# KiCad board Retro.kicad_pcb (continued)
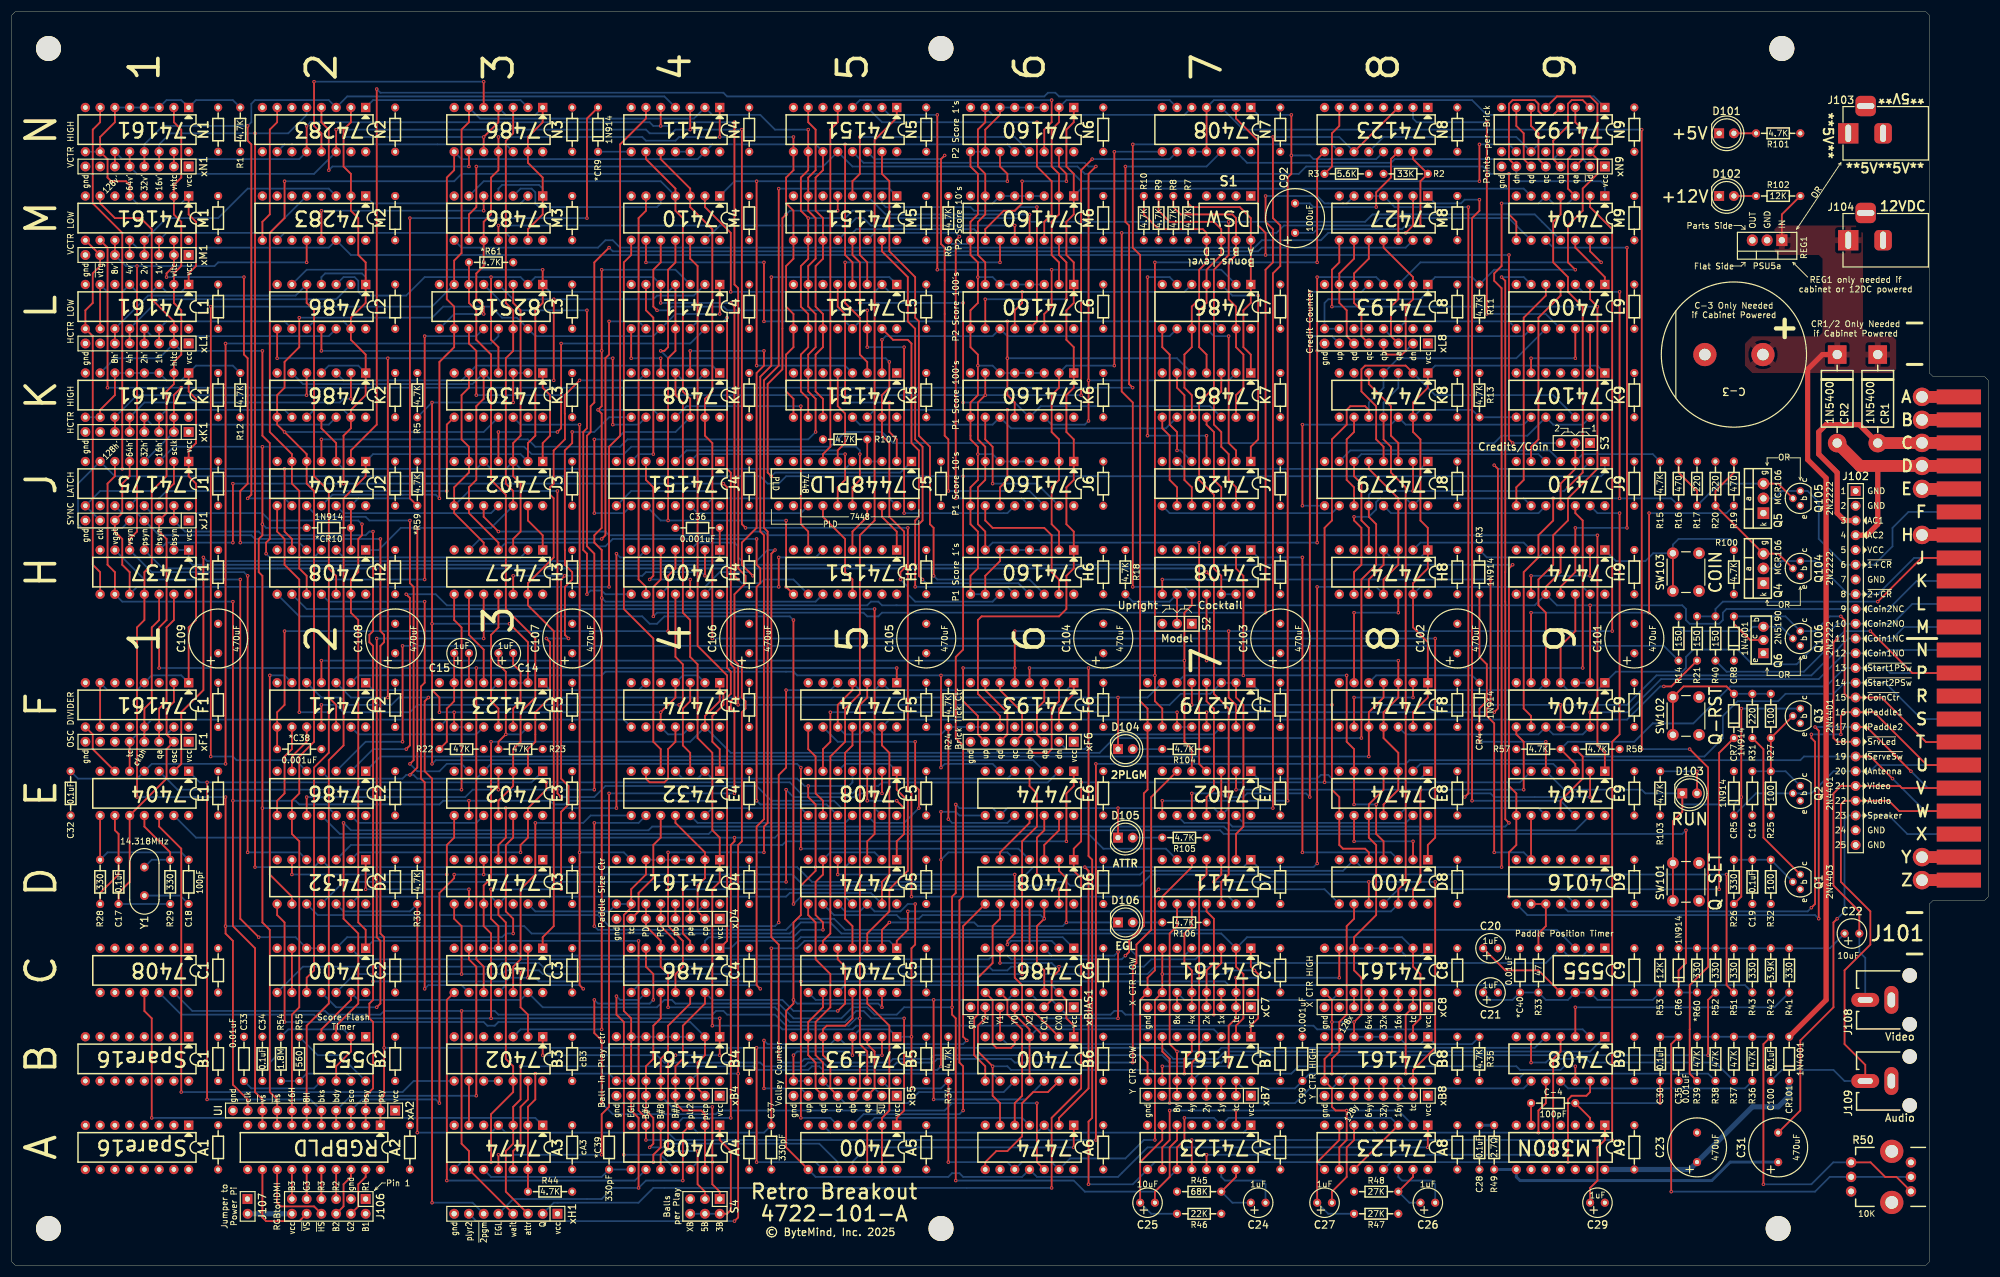
[diagram p0: board, top side]
## Routing (per net, layer and track width the routed paths; a pad name or vN(x,y) marks a point on that pad's centre or on a via; arc(x,y) is an arc through that point) (continued)
vol_ctr_qb: length 14.5
  Top w0.305: v1(146.05,36.19) 146.05,30.48 xB5.4 ; B5.2 v1(149.86,36.19)
  Bottom w0.305: v1(146.05,36.19) v1(149.86,36.19)
vol_ctr_qc: length 55.4
  Top w0.305: xB5.5 140.97,30.48 140.97,34.92 139.7,36.19 B5.6 139.7,40.64 140.34,41.27 143.51,41.27 144.78,42.54 C5.11
  Bottom w0.305: xB5.5 143.51,27.94 154.31,27.94 156.21,29.84 170.81,29.84 B6.10
vol_ctr_qd: length 52.2
  Top w0.305: C5.9 139.7,44.45 137.16,41.91 B5.7 137.16,36.19 138.43,34.92 v1(138.43,33.02) 138.43,30.48 xB5.6
  Bottom w0.305: v1(138.43,33.02) 168.91,33.02 B6.9
vol_ctr_up: length 78.2
  Top w0.305: v1(164.47,38.73) 163.83,39.37 163.83,58.42 D6.8 ; v1(129.54,38.73) v1(129.54,30.48)
  Bottom w0.305: v1(129.54,38.73) 130.18,38.1 140.97,38.1 B5.5 143.51,38.1 163.83,38.1 v1(164.47,38.73) ; v1(129.54,30.48) 135.89,30.48 xB5.7
VSLOW: length 74.1
  Top w0.305: v1(158.75,28.57) v1(158.75,45.72)
  Bottom w0.305: v1(158.75,28.57) 174.62,28.57 B6.12 ; C6.10 171.45,45.72 138.43,45.72 C5.8
VSYNC: length 416.3
  Top w0.305: v1(163.83,135.89) 163.83,106.04 162.56,104.77 162.56,90.8 163.83,89.53 163.83,63.5 163.19,62.86 163.19,34.92 163.83,34.29 v1(163.83,26.67)
  Bottom w0.305: A5.4 146.69,26.03 163.19,26.03 v1(163.83,26.67) ; J9.1 274.32,136.52 273.69,135.89 133.35,135.89 132.08,134.62 130.18,134.62 128.91,135.89 17.78,135.89 J1.7 11.43,134.62 11.43,127.63 12.06,127 19.05,127 xJ1.5
X0: length 47.8
  Top w0.305: C6.13 181.61,45.72 181.61,42.54 182.88,41.27 B6.1
  Bottom w0.305: C5.10 143.51,48.26 179.07,48.26 C6.13
X1: length 17.3
  Top w0.305: B6.3 173.99,43.18 173.99,48.26 172.72,49.53 C6.5
X2: length 62.1
  Top w0.305: B6.2 xBIAS1.4 ; v1(190.5,42.54) v1(190.5,53.97)
  Bottom w0.305: xBIAS1.4 177.16,42.54 v1(190.5,42.54) ; C6.3 179.07,53.34 189.87,53.34 191.13,54.61 192.41,54.61 193.68,53.34 201.93,53.34 C7.5
xh_tc: length 69.2
  Top w0.305: C8.15 xC8.2 240.03,43.18 v1(240.03,33.02) ; B7.7 198.12,36.83 199.39,35.56 v1(199.39,27.94)
  Bottom w0.305: v1(199.39,27.94) 220.98,27.94 223.52,30.48 227.33,30.48 B8.10 229.87,33.02 v1(240.03,33.02)
xl_tc: length 52.6
  Top w0.305: v1(210.82,49.53) C7.15 xC7.2 210.82,42.54 209.55,41.27 v1(209.55,34.29) ; B7.10 v1(198.12,34.29) ; C8.7 v1(228.6,49.53)
  Bottom w0.305: v1(228.6,49.53) v1(210.82,49.53) ; v1(209.55,34.29) v1(198.12,34.29)
Y0: length 47.8
  Top w0.305: xBIAS1.5 172.72,43.18 175.26,40.64 B6.4 B6.11
  Bottom w0.305: B6.4 176.53,40.64 207.01,40.64 B7.3
Y1: length 41.7
  Top w0.305: B6.6 xBIAS1.6
  Bottom w0.305: B6.6 171.45,38.1 204.47,38.1 B7.4
Y2: length 62.8
  Top w0.305: v1(201.93,33.02) 201.93,35.56 203.2,36.83 B7.5 ; xBIAS1.7 167.64,42.54 166.37,41.27 166.37,36.83 v1(168.91,34.29) 168.91,29.21 170.18,27.94 A6.6
  Bottom w0.305: v1(201.93,33.02) 196.85,33.02 196.22,33.66 172.09,33.66 171.45,34.29 v1(168.91,34.29)
yh_tc: length 84.7
  Top w0.305: xB8.2 B8.15 241.3,33.66 245.11,37.46 v1(245.11,66.04) ; v1(233.68,66.04) D8.10 ; v1(207.01,66.04) 208.28,67.31 D7.3
  Bottom w0.305: v1(207.01,66.04) v1(233.68,66.04) v1(245.11,66.04)
yl_tc: length 51.4
  Top w0.305: B7.15 xB7.2 ; v1(227.33,33.02) 227.33,35.56 228.6,36.83 B8.7 228.6,41.91 229.87,43.18 229.87,58.42 231.14,59.69 D8.9
  Bottom w0.305: B7.15 212.09,30.48 220.98,30.48 C99.1 223.52,33.02 v1(227.33,33.02)
~{1+Credit}: length 48.8
  Bottom w0.305: Q5.2 303.53,132.08 304.8,133.35 Q105.3 309.25,133.35 311.15,131.44 311.15,125.09 315.6,120.65 J102.6 320.68,120.65 323.85,123.82 323.85,127 326.59,129.74 J101.6
~{1_CR_START}: length 88.5
  Top w0.305: H7.2 210.82,120.01 212.09,118.74 v1(212.09,101.6) ; v1(234.95,79.38) 234.95,74.29 236.22,73.02 D8.4 ; v1(229.87,101.6) 229.87,90.17 231.14,88.9 E8.6 v1(231.14,79.38)
  Bottom w0.305: v1(234.95,79.38) v1(231.14,79.38) ; F7.6 201.93,101.6 v1(229.87,101.6)
~{1_OR_2_CREDIT}: length 84.2
  Top w0.305: v1(242.57,81.91) 242.57,66.04 241.3,64.77 D8.13 ; v1(260.35,81.91) 260.35,90.17 259.08,91.44 F9.8 ; E7.2 v1(210.82,81.91)
  Bottom w0.305: v1(260.35,81.91) v1(242.57,81.91) v1(210.82,81.91)
~{2+Credits}: length 39.1
  Bottom w0.305: J101.8 327.56,121.82 321.31,115.57 J102.8 316.23,115.57 310.51,121.28 Q104.3 304.8,121.28 303.53,120.01 301.62,120.01
~{2_CR_START}: length 59.5
  Top w0.305: D8.5 233.68,71.12 233.04,71.75 229.24,71.75 228.6,72.39 E8.8 228.6,80.64 227.33,81.91 v1(227.33,96.52) ; F7.5 v1(203.2,96.52)
  Bottom w0.305: v1(203.2,96.52) v1(227.33,96.52)
~{2_CREDIT}: length 183.4
  Top w0.305: v1(227.33,165.1) 227.33,171.45 228.6,172.72 M8.8 ; F9.5 264.16,112.39 262.89,113.66 262.89,118.11 265.43,120.65 265.43,125.73 267.97,128.27 267.97,132.08 273.05,137.16 v1(273.05,165.1) 271.78,166.37 L9.2
  Bottom w0.305: F9.5 262.89,99.06 214.63,99.06 F7.1 ; v1(227.33,165.1) v1(273.05,165.1)
~{2_PLGM}: length 256.8
  Top w0.305: v1(71.75,97.79) 71.12,97.16 71.12,85.09 72.39,83.82 v1(72.39,10.79) ; D104.1 v1(190.5,97.79)
  Bottom w0.305: F2.5 53.34,97.79 56.63,97.79 57.9,96.52 65.41,96.52 66.67,97.79 v1(71.75,97.79) 195.58,97.79 F7.7 ; v1(72.39,10.79) 79.38,10.79 xH1.6
~{8H}: length 279.3
  Top w0.305: J2.2 58.42,140.33 62.87,144.78 v1(62.87,202.56)
  Bottom w0.305: N9.1 272.42,201.29 180.34,201.29 179.71,201.93 178.44,201.93 177.8,201.29 123.19,201.29 122.56,201.93 63.5,201.93 v1(62.87,202.56)
~{16H}: length 294.8
  Top w0.305: v1(46.99,186.69) 46.99,180.34 44.45,177.8 44.45,143.51 48.26,139.7 J2.6 48.26,134.62 49.53,133.35 49.53,120.01 50.8,118.74 H2.10 ; v1(252.73,193.04) v1(252.73,186.69)
  Bottom w0.305: v1(252.73,193.04) 257.81,193.04 N9.10 ; v1(252.73,186.69) 184.15,186.69 182.88,187.96 77.47,187.96 76.2,186.69 v1(46.99,186.69)
~{16V}: length 73
  Top w0.305: v1(68.58,86.36) 69.22,86.99 69.22,116.84 68.58,117.47 v1(68.58,128.27)
  Bottom w0.305: v1(68.58,128.27) 61.59,128.27 60.96,128.9 52.7,128.9 J2.10 ; v1(68.58,86.36) 69.85,85.09 73.66,85.09 74.93,86.36 77.47,86.36 E3.6
~{32H}: length 150
  Top w0.305: N5.7 137.16,196.85 138.43,195.58 138.43,188.59 137.16,187.32 M5.7 137.16,181.61 138.43,180.34 138.43,173.35 137.16,172.08 L5.7 137.16,165.1 138.43,163.83 138.43,158.12 137.16,156.84 K5.7 137.16,150.5 138.43,149.22 v1(138.43,143.51) ; J2.4 v1(53.34,142.24)
  Bottom w0.305: v1(53.34,142.24) 88.9,142.24 90.17,140.97 104.78,140.97 106.05,142.24 137.16,142.24 v1(138.43,143.51)
~{64V}: length 84.1
  Top w0.305: H9.11 266.7,116.84 269.24,119.38 H9.3 v1(269.24,127) ; v1(278.13,127) v1(278.13,175.26)
  Bottom w0.305: v1(278.13,175.26) 265.43,175.26 M9.10 ; v1(269.24,127) v1(278.13,127)
~{ATTRACT}: length 495.5
  Top w0.305: A8.11 A8.3 ; v1(217.17,194.31) 217.17,180.34 218.44,179.07 218.44,172.08 217.17,170.81 v1(217.17,78.74) ; N8.11 N8.3 ; A7.11 200.66,20.32 201.93,21.59 v1(201.93,25.4) ; v1(162.56,79.38) 162.56,64.13 161.93,63.5 v1(161.93,44.45) 161.93,43.18 162.56,42.54 v1(162.56,14.6) ; B2.4 53.34,40.64 58.42,45.72 C2.13 ; E7.12 E7.3 ; D105.1 v1(190.5,78.74)
  Bottom w0.305: v1(161.93,44.45) 153.67,44.45 152.4,43.18 148.59,43.18 147.32,44.45 144.78,44.45 142.88,42.54 134.62,42.54 132.08,45.08 114.3,45.08 113.67,45.72 112.39,45.72 111.12,44.45 91.44,44.45 C3.13 87.63,45.72 59.69,45.72 C2.13 ; v1(162.56,14.6) 182.88,14.6 184.78,12.7 196.85,12.7 A7.11 ; v1(217.17,194.31) 228.6,194.31 N8.11 ; v1(217.17,78.74) 209.55,78.74 E7.12 207.01,78.74 171.45,78.74 E6.9 168.91,78.74 163.19,78.74 v1(162.56,79.38) ; v1(201.93,25.4) 207.01,25.4 A7.3 209.55,25.4 237.49,25.4 A8.3
~{BP_HIT}: length 244.9
  Top w0.305: v1(243.84,20.32) A8.1 ; v1(137.16,82.55) 137.16,80.64 138.43,79.38 v1(138.43,68.58) 138.43,67.94 135.89,65.41 135.89,60.32 134.62,59.05 134.62,45.08 133.35,43.81 133.35,20.32 A5.8 ; C5.13 v1(149.86,44.45)
  Bottom w0.305: E5.4 144.78,83.19 144.15,82.55 v1(137.16,82.55) 136.53,82.55 135.25,83.82 120.65,83.82 E4.2 118.11,83.82 115.57,83.82 E4.4 ; v1(243.84,20.32) 195.58,20.32 190.5,15.24 176.53,15.24 A6.11 173.99,15.24 163.83,15.24 163.19,15.88 161.93,15.88 161.29,15.24 138.43,15.24 A5.8 ; D5.4 143.51,68.58 v1(138.43,68.58) ; v1(134.62,45.72) 135.25,45.08 149.22,45.08 v1(149.86,44.45)
~{bpc_ld}: length 43.4
  Bottom w0.305: N8.12 236.22,194.31 259.08,194.31 N9.11 262.89,193.04 269.88,193.04 270.51,192.4 270.51,190.5 xN9.2
~{BRICK_DISPLAY}: length 133.4
  Top w0.305: C36.1 H4.1 ; v1(33.02,121.92) 33.02,99.06 29.21,95.25 29.21,86.36 E1.2
  Bottom w0.305: H4.1 121.92,121.92 121.28,121.28 33.66,121.28 v1(33.02,121.92)
~{BRICK_HIT}: length 294.4
  Top w0.305: N8.9 224.79,190.5 v1(224.79,172.72) ; F7.10 198.12,95.88 196.85,97.16 v1(196.85,101.6) v1(196.85,172.72) ; v1(160.02,85.72) v1(160.02,101.6)
  Bottom w0.305: v1(160.02,85.72) 160.66,86.36 168.91,86.36 E6.6 ; F2.2 59.69,101.6 101.6,101.6 102.23,102.23 134.62,102.23 135.25,101.6 v1(196.85,101.6) ; v1(196.85,172.72) v1(224.79,172.72)
~{BTB_HIT}: length 107.4
  Top w0.305: E5.1 152.4,81.91 154.31,80.01 154.31,67.94 151.13,64.77 151.13,60.96 147.32,57.15 C5.3
  Bottom w0.305: C5.3 146.05,53.34 87.63,53.34 C3.3 ; E5.1 151.13,86.36 143.51,86.36 E5.5
~{COIN#1}: length 20.1
  Bottom w0.305: CR4.1 251.46,101.6 234.95,101.6 F8.5
~{COIN#2}: length 12.5
  Bottom w0.305: CR3.1 254,121.92 262.89,121.92 H9.5
~{CoinCtr}: length 64.8
  Top w0.305: CR8.2 296.55,110.49 299.35,107.69 Q6.2 ; v1(314.96,111.76) 315.6,111.12 315.6,98.42 316.23,97.79 J102.15 321.94,97.79 329.62,90.12 J101.T
  Bottom w0.305: CR8.2 305.44,111.76 Q106.3 310.51,109.22 313.06,111.76 v1(314.96,111.76)
~{EGL}: length 56.2
  Top w0.305: v1(151.13,59.05) 149.86,57.78 C5.2 ; v1(181.61,59.05) 181.61,66.67 180.34,67.94 D6.2
  Bottom w0.305: v1(151.13,59.05) 165.74,59.05 166.37,58.42 180.97,58.42 v1(181.61,59.05) D106.1
~{FPD1}: length 23.9
  Bottom w0.305: F2.13 59.69,91.44 80.01,91.44 F3.12
~{FPD2}: length 23.9
  Bottom w0.305: F2.1 62.23,99.06 82.55,99.06 F3.4
~{HSYNC}: length 392.7
  Top w0.305: v1(43.18,140.97) v1(43.18,127.63) 43.18,125.73 42.55,125.09 42.55,119.38 43.18,118.74 v1(43.18,78.74) 43.18,59.05 44.45,57.78 44.45,29.84 45.72,28.57 xA2.9 A2.8
  Bottom w0.305: K9.13 270.51,144.78 265.43,144.78 K9.10 260.99,142.88 256.54,142.88 255.27,141.6 151.76,141.6 149.86,143.51 143.51,143.51 140.97,140.97 106.68,140.97 105.41,139.7 89.53,139.7 88.27,140.97 27.94,140.97 J1.3 ; v1(43.18,78.74) 54.61,78.74 E2.12 ; *CR10.1 43.81,127 v1(43.18,127.63)
~{PAD}: length 68.9
  Top w0.305: v1(74.93,133.35) 74.93,144.78 K3.8
  Bottom w0.305: v1(74.93,133.35) 26.67,133.35 25.4,132.08 21.59,132.08 J1.12
~{PLAYER_2}: length 206.7
  Top w0.305: v1(257.81,187.96) 257.81,180.97 259.08,179.7 M9.8 ; v1(80.01,189.23) 80.01,182.25 78.74,180.97 M3.9
  Bottom w0.305: v1(257.81,187.96) 254.63,187.96 253.37,189.23 222.88,189.23 221.62,187.96 184.78,187.96 183.51,189.23 144.78,189.23 N5.12 139.7,189.23 v1(80.01,189.23)
~{Q}: length 144.1
  Top w0.305: v1(264.16,90.17) E9.5 ; v1(252.73,90.17) CR4.2 252.73,95.88 254,97.16 254,103.5 252.73,104.77 CR3.2 ; SW101.1 SW101.1 286.04,76.49 287.65,78.1 D103.1 ; v1(297.81,95.88) v1(297.81,80.64) 297.81,63.5 R26.2
  Bottom w0.305: E9.5 267.33,81.91 280.67,81.91 281.31,81.28 D103.1 287.65,79.38 296.55,79.38 v1(297.81,80.64) ; v1(252.73,90.17) v1(264.16,90.17) ; v1(297.81,95.88) Q3.3
~{SBD}: length 118.6
  Top w0.305: v1(133.35,66.04) v1(133.35,81.91) ; v1(149.86,81.28) E5.2
  Bottom w0.305: D2.11 57.15,66.04 v1(133.35,66.04) ; v1(149.86,81.28) 146.05,81.28 145.41,80.64 134.62,80.64 v1(133.35,81.91)
~{SERVE_WAIT}: length 359.4
  Top w0.305: A4.5 111.76,20.32 110.49,19.05 v1(110.49,17.78) ; v1(284.48,99.69) 285.75,99.69 R21.2 ; F5.13 149.86,89.53 151.13,88.26 151.13,67.31 149.86,66.04 D5.13 ; D3.11 83.82,60.32 85.09,59.05 85.09,35.56 86.36,34.29 B3.12 86.36,29.84 82.55,26.03 v1(82.55,17.78)
  Bottom w0.305: v1(284.48,99.69) 283.85,99.69 278.13,93.98 151.13,93.98 F5.13 ; A3.8 77.47,17.78 v1(110.49,17.78) ; D2.13 59.69,63.5 82.55,63.5 D3.11 85.09,63.5 133.35,63.5 133.99,64.13 147.96,64.13 D5.13
~{ServeSw}: length 390.6
  Top w0.305: v1(323.85,83.82) 320.04,87.63 J102.19 ; v1(186.69,86.36) v1(186.69,21.59) ; R30.2 v1(69.85,22.86)
  Bottom w0.305: J101.19 329.44,78.23 v1(323.85,83.82) ; v1(69.85,22.86) 82.55,22.86 A3.4 85.09,22.86 113.03,22.86 114.3,21.59 v1(186.69,21.59) ; D2.12 57.15,60.96 68.58,60.96 R30.2 ; v1(186.69,86.36) 240.03,86.36 240.66,86.99 307.98,86.99 308.61,87.63 J102.19
~{SET_BRICKS}: length 181
  Top w0.305: D3.8 76.2,59.69 77.47,58.42 v1(77.47,50.16) ; B3.2 88.9,43.18 87.63,44.45 v1(87.63,50.8) ; v1(173.99,50.16) 173.99,73.02 176.53,75.56 176.53,81.28 175.26,82.55 E6.4
  Bottom w0.305: v1(173.99,50.16) 91.44,50.16 90.81,50.8 v1(87.63,50.8) 85.09,50.8 84.45,50.16 v1(77.47,50.16) 59.05,50.16 C2.12
~{SrvLeds}: length 50
  Top w0.305: J101.J 328.83,121.82 v1(321.31,114.3)
  Bottom w0.305: v1(321.31,114.3) 294.64,114.3 293.37,113.03 R40.2 R21.1
~{SrvLed}: length 70.1
  Top w0.305: v1(314.32,107.95) 313.69,107.31 313.69,90.8 314.32,90.17 J102.18 ; J101.P 327.25,102.01 v1(320.04,109.22)
  Bottom w0.305: R40.1 295.27,102.23 308.61,102.23 315.6,109.22 v1(320.04,109.22)
~{Start1PSw}: length 79.6
  Top w0.305: E9.3 269.24,86.36 R57.2
  Bottom w0.305: R57.2 267.97,90.17 279.4,90.17 282.57,93.34 282.59,93.33 289.56,93.33 293.37,97.14 293.37,97.16 295.91,99.69 312.42,99.69 315.6,102.87 J102.13 322.58,102.87 323.44,102.01 J101.13
~{Start2PSw}: length 90.2
  Top w0.305: E9.11 266.7,80.01 270.51,83.82 270.51,87.63 R58.2
  Bottom w0.305: J101.15 328.83,94.08 322.58,100.33 J102.14 315.6,100.33 313.69,98.42 305.44,98.42 304.17,97.16 297.18,97.16 294.64,94.61 294.64,90.8 291.46,87.63 270.51,87.63 R58.2
~{START_GAME_1}: length 481.5
  Top w0.305: v1(232.41,90.8) 232.41,118.11 234.95,120.65 234.95,127.63 233.68,128.9 J8.12 ; v1(114.3,36.19) 113.03,34.92 113.03,20.32 111.76,19.05 A4.10 ; v1(82.55,90.17) 82.55,66.67 81.28,65.41 D3.10 81.28,58.42 82.55,57.15 v1(82.55,42.54) ; v1(121.92,42.54) B4.1 v1(121.92,36.19) ; F4.13 119.38,94.61 121.92,97.16 F4.1 ; v1(267.97,133.98) 270.51,136.52 270.51,165.1 267.97,167.64 267.97,170.18 265.43,172.72 265.43,179.7 266.7,180.97 M9.4 ; v1(241.3,133.35) J8.2
  Bottom w0.305: v1(121.92,42.54) v1(82.55,42.54) 52.7,42.54 52.07,43.18 29.21,43.18 C1.12 ; v1(114.3,36.19) v1(121.92,36.19) ; v1(232.41,90.8) 189.87,90.8 187.32,88.26 123.83,88.26 F4.13 116.84,90.17 v1(82.55,90.17) ; J8.12 233.68,132.71 234.31,133.35 v1(241.3,133.35) 267.33,133.35 v1(267.97,133.98)
~{START_GAME}: length 208
  Top w0.305: F6.11 170.18,94.61 166.37,98.42 166.37,111.12 167,111.76 180.34,111.76 181.61,113.03 181.61,118.74 182.88,120.01 H6.1 182.88,126.36 181.61,127.63 181.61,133.98 182.88,135.25 J6.1 182.88,142.24 181.61,143.51 181.61,149.86 182.88,151.13 K6.1 182.88,158.12 181.61,159.38 181.61,164.46 182.88,165.73 L6.1 182.88,172.72 181.61,173.99 181.61,179.7 182.88,180.97 M6.1 182.88,187.96 181.61,189.23 181.61,195.58 182.88,196.85 N6.1
  Bottom w0.305: M9.6 260.35,185.42 184.15,185.42 M6.1
~{SU}: length 44.8
  Top w0.305: D5.8 137.16,60.32 138.43,59.05 138.43,52.7 140.97,50.16 140.97,44.45 138.43,41.91 138.43,36.19 139.7,34.92 B5.11
  Bottom w0.305: xB5.2 148.59,30.48 140.97,30.48 B5.11
~{VB_HIT}: length 75.8
  Bottom w0.305: A5.6 140.97,22.86 176.53,22.86 A6.3 179.07,22.86 212.09,22.86 A7.1
~{VERT_TRIG}: length 64.1
  Top w0.305: H1.8 15.24,119.38 13.97,120.65 13.97,160.02 L1.9 12.7,164.46 13.97,165.73 13.97,170.81 15.24,172.08 xM1.7 M1.9
~{VSYNC}: length 497.8
  Top w0.305: K4.4 114.3,149.86 115.57,148.59 115.57,112.39 116.84,111.12 116.84,104.77 118.11,103.5 118.11,90.8 120.65,88.26 v1(120.65,80.01) 120.65,74.93 121.92,73.66 D4.1 121.92,66.04 120.65,64.77 v1(120.65,41.27) ; H1.9 17.78,119.38 16.51,120.65 16.51,134.62 17.78,135.89 J1.6 ; A2.9 xA2.10 43.18,28.57 41.91,29.84 41.91,54.61 38.1,58.42 v1(38.1,80.01) v1(38.1,114.3) ; E3.9 v1(78.74,80.01)
  Bottom w0.305: v1(38.1,80.01) 48.9,80.01 49.53,79.38 73.66,79.38 74.3,80.01 92.71,80.01 93.34,79.38 95.25,79.38 95.89,80.01 v1(120.65,80.01) ; K4.4 115.57,152.4 118.11,152.4 K4.2 ; B9.2 270.51,40.64 224.79,40.64 224.16,41.27 145.41,41.27 144.78,40.64 132.72,40.64 132.08,41.27 v1(120.65,41.27) ; H1.9 19.05,114.3 v1(38.1,114.3)
Net-(*C38-Pad1): length 101.4
  Top w0.305: v1(46.99,109.22) 46.99,96.52 45.72,95.25 F2.8 *C38.1 ; v1(113.03,109.22) 113.03,118.74 114.3,120.01 H4.4
  Bottom w0.305: v1(113.03,109.22) v1(46.99,109.22)
Net-(*CR9-K): length 5.7
  Bottom w0.305: *CR9.1 N4.8
Net-(*CR10-A): length 120.5
  Top w0.305: v1(68.58,180.34) 68.58,132.08 *R59.1 ; J2.13 *CR10.2 H2.2 ; *CR9.2 99.06,197.48 v1(99.06,180.34)
  Bottom w0.305: J2.13 59.69,132.08 68.58,132.08 *R59.1 ; v1(68.58,180.34) v1(99.06,180.34)
Net-(A3A-~{Q}): length 7.6
  Top w0.305: A3.6 B3.9
Net-(A3A-~{R}): length 90
  Top w0.305: C1.11 22.86,43.81 24.13,42.54 v1(24.13,25.4)
  Bottom w0.305: v1(24.13,25.4) 90.17,25.4 A3.1
Net-(A3B-C): length 194.8
  Top w0.305: v1(123.19,163.19) 123.19,137.16 123.83,136.52 123.83,103.5 124.46,102.87 124.46,97.79 123.83,97.16 123.83,95.88 124.46,95.25 v1(124.46,81.28) ; v1(83.82,19.05) A3.11 ; v1(101.6,19.05) 101.6,26.03 102.87,27.3 v1(102.87,81.28)
  Bottom w0.305: v1(123.19,163.19) 122.56,162.56 118.11,162.56 L4.12 ; v1(124.46,81.28) v1(102.87,81.28) ; v1(101.6,19.05) v1(83.82,19.05)
Net-(A3B-D): length 16.3
  Top w0.305: A3.12 86.36,19.69 87.63,20.95 87.63,27.3 88.9,28.57 B3.13
Net-(A3B-~{S}): length 26.5
  Bottom w0.305: A3.10 82.55,15.24 101.6,15.24 *C39.1 A4.8
Net-(A4-Pad1): length 22.6
  Top w0.305: S4.2 123.19,8.89 123.83,9.52 123.83,19.69 121.92,21.59 A4.1
  Bottom w0.305: S4.2 S4.4 S4.6
Net-(A4-Pad9): length 68
  Top w0.305: v1(74.93,14.6) 74.93,45.72 C3.8
  Bottom w0.305: A4.9 107.31,14.6 v1(74.93,14.6)
Net-(A4-Pad11): length 43.6
  Top w0.305: v1(104.14,46.35) 104.14,43.18 105.41,41.91 v1(105.41,19.05)
  Bottom w0.305: C4.9 107.95,45.72 104.78,45.72 v1(104.14,46.35) ; A4.11 111.76,19.05 v1(105.41,19.05)
Net-(A6A-Q): length 25
  Top w0.305: C6.9 171.45,45.72 171.45,43.18 173.99,40.64 173.99,29.21 172.72,27.94 A6.5
Net-(A6A-~{R}): length 44.3
  Top w0.305: v1(182.88,20.32) A6.1
  Bottom w0.305: A5.11 144.78,17.85 147.25,20.32 v1(182.88,20.32)
Net-(A6A-~{S}): length 36.6
  Top w0.305: A5.3 A5.12
  Bottom w0.305: A5.3 148.59,25.4 173.99,25.4 A6.4
Net-(A6B-D): length 126.9
  Top w0.305: v1(101.6,27.94) 101.6,38.73 100.33,40 v1(100.33,45.72) ; v1(110.49,45.72) 110.49,50.16 109.22,51.44 C4.6 ; v1(176.53,27.94) 176.53,17.78 A6.12
  Bottom w0.305: v1(100.33,45.72) 100.97,45.08 109.86,45.08 v1(110.49,45.72) ; v1(101.6,27.94) 103.5,26.03 121.28,26.03 121.92,26.67 160.66,26.67 161.93,27.94 v1(176.53,27.94)
Net-(A6B-~{Q}): length 23.1
  Top w0.305: A6.8 167.64,17.78 169.54,19.69 171.45,19.69 173.99,22.22 173.99,27.94 175.9,29.84 178.44,29.84 B6.13
Net-(A7A-Cx): length 12.6
  Bottom w0.305: A7.14 208.28,15.24 208.91,14.6 215.26,14.6 215.9,13.97 C24.2
Net-(A7A-Q): length 83.1
  Top w0.305: v1(265.43,19.05) 265.43,35.56 266.7,36.83 B9.4 ; v1(205.74,19.05) A7.13
  Bottom w0.305: v1(265.43,19.05) v1(205.74,19.05)
Net-(A7A-RCx): length 10.7
  Top w0.305: A7.15 210.82,15.24 R45.2
  Bottom w0.305: C24.1 210.19,10.79 R45.2
Net-(A7B-Cx): length 14.9
  Top w0.305: A7.6 200.66,21.59 199.39,20.32 199.39,15.24 196.85,12.7 C25.2
Net-(A7B-RCx): length 22.1
  Top w0.305: A7.7 198.12,21.59 194.31,17.78 C25.1
  Bottom w0.305: C25.1 196.22,8.89 R46.2
Net-(A8A-Cx): length 11.3
  Bottom w0.305: A8.14 238.76,15.24 239.4,14.6 244.47,14.6 245.11,13.97 C26.2
Net-(A8A-Q): length 49.3
  Top w0.305: v1(267.97,17.78) 267.97,28.57 268.61,29.21 271.14,29.21 271.78,29.84 B9.13
  Bottom w0.305: A8.13 237.49,17.78 v1(267.97,17.78)
Net-(A8A-RCx): length 9.5
  Top w0.305: R48.2 241.3,15.24 A8.15
  Bottom w0.305: R48.2 240.66,10.79 C26.1
Net-(A8B-Cx): length 14.9
  Top w0.305: A8.6 231.14,21.59 229.87,20.32 229.87,15.24 227.33,12.7 C27.2
Net-(A8B-Q): length 39.2
  Top w0.305: v1(262.89,22.86) 262.89,26.67 264.16,27.94 B9.10
  Bottom w0.305: A8.5 234.95,22.86 v1(262.89,22.86)
Net-(A8B-RCx): length 22.1
  Top w0.305: A8.7 228.6,21.59 224.79,17.78 C27.1
  Bottom w0.305: R47.2 226.69,8.89 C27.1
Net-(A9-Pad8): length 51.7
  Bottom w0.508: C31.1 295.91,17.78 292.74,14.6 259.71,14.6 259.08,15.24 A9.8 R49.1
Net-(A9A-+): length 23.3
  Top w0.305: C30.1 v1(283.85,27.94) ; C-4.1 271.78,25.4 A9.2
  Bottom w0.305: C-4.1 v1(283.85,27.94)
Net-(A9A--): length 3.8
  Top w0.305: C-4.2 A9.6
Net-(A9A-BYPASS): length 14.4
  Top w0.305: A9.1 274.32,21.59 273.05,20.32 273.05,14.6 271.78,13.33 C29.1
Net-(B2A-CV): length 14.4
  Bottom w0.305: C33.1 41.27,30.48 52.07,30.48 B2.5
Net-(B2A-DIS): length 13.5
  Bottom w0.305: R54.1 R55.2 50.8,33.02 57.78,33.02 58.42,32.38 B2.7
Net-(B2A-THR): length 30.7
  Top w0.305: B2.2 58.42,36.83 55.88,34.29 B2.6
  Bottom w0.305: B2.2 57.15,40.64 47.62,40.64 R54.2 46.35,36.83 43.18,33.66 C34.1
Net-(B3-Pad1): length 160.2
  Top w0.305: B3.1 v1(91.44,36.19) ; v1(193.04,34.92) 193.04,51.44 193.68,52.07 193.68,55.24 196.22,57.78 196.22,80.64 E7.6
  Bottom w0.305: v1(91.44,36.19) 111.12,36.19 112.39,34.92 128.91,34.92 129.54,34.29 136.53,34.29 137.16,34.92 139.7,34.92 140.34,34.29 151.76,34.29 152.4,34.92 158.75,34.92 159.38,35.56 172.09,35.56 172.72,34.92 v1(193.04,34.92)
Net-(B3-Pad8): length 97
  Top w0.305: v1(29.21,29.84) 29.21,71.75 25.4,75.56 E1.12
  Bottom w0.305: v1(29.21,29.84) 67.31,29.84 69.22,31.75 B3.8
Net-(B3-Pad10): length 2.5
  Bottom w0.305: B3.10 B3.11
Net-(B6-Pad5): length 15
  Top w0.305: C6.8 168.91,45.72 168.91,38.1 169.54,37.46 172.09,37.46 172.72,38.1 B6.5
Net-(B6-Pad8): length 33.1
  Top w0.305: D6.9 170.18,59.69 168.91,58.42 168.91,52.07 166.37,49.53 166.37,43.18 165.74,42.54 165.74,36.19 167.64,34.29 B6.8
Net-(B7A-~{PE}): length 67
  Top w0.305: B7.9 195.58,34.92 194.31,36.19 194.31,45.72 C7.9 195.58,49.53 196.85,50.8 196.85,64.13 v1(197.49,64.77)
  Bottom w0.305: v1(197.49,64.77) 226.06,64.77 D8.8
Net-(B9-Pad6): length 41.2
  Top w0.305: B9.6 v1(261.62,34.92)
  Bottom w0.305: v1(261.62,34.92) 261.64,34.94 264.18,34.94 264.8,35.56 271.16,35.56 271.78,34.94 293.35,34.94 R37.2
Net-(B9-Pad8): length 35.3
  Bottom w0.305: R38.2 292.1,33.02 260.35,33.02 B9.8
Net-(B9-Pad11): length 34.1
  Bottom w0.305: R36.2 298.45,30.48 267.97,30.48 B9.11
Net-(C2-Pad3): length 52.9
  Top w0.305: E3.12 86.36,73.66 85.09,72.39 85.09,60.96 86.36,59.69 v1(86.36,57.15)
  Bottom w0.305: v1(86.36,57.15) 85.09,57.15 84.45,56.51 57.78,56.51 C2.3
Net-(C2-Pad4): length 98.2
  Top w0.305: v1(39.37,118.11) 39.37,59.69 v1(42.55,56.51)
  Bottom w0.305: v1(39.37,118.11) 22.86,118.11 H1.6 ; v1(42.55,56.51) 48.9,56.51 C2.5 C2.4
Net-(C2-Pad6): length 7.6
  Top w0.305: C2.9 C2.6
Net-(C2-Pad10): length 92.1
  Top w0.305: v1(49.53,95.25) 49.53,118.11 46.99,120.65 46.99,125.09 45.72,126.36 J2.8 ; v1(54.61,95.25) 54.61,88.26 52.07,85.72 52.07,50.8 50.8,49.53 C2.10
  Bottom w0.305: v1(49.53,95.25) v1(54.61,95.25)
Net-(C2-Pad11): length 100.6
  Top w0.305: v1(62.87,107.95) 62.87,56.51 63.5,55.88 63.5,45.08 v1(62.87,44.45) ; v1(81.28,107.95) H3.10
  Bottom w0.305: v1(62.87,44.45) 55.88,44.45 C2.11 ; v1(62.87,107.95) v1(81.28,107.95)
Net-(C3-Pad9): length 93.9
  Top w0.305: v1(71.12,114.3) 71.12,100.33 70.48,99.69 70.48,83.82 71.12,83.19 v1(71.12,47.62)
  Bottom w0.305: v1(71.12,114.3) 54.61,114.3 H2.11 ; v1(71.12,47.62) 71.75,48.26 77.47,48.26 C3.9
Net-(C3-Pad12): length 47.8
  Top w0.305: C3.12 86.36,51.44 87.63,52.7 87.63,64.77 90.17,67.31 v1(90.17,76.2)
  Bottom w0.305: E4.8 99.69,77.47 98.42,76.2 v1(90.17,76.2)